# KiCad board Support All PCBS.kicad_pcb (continued)
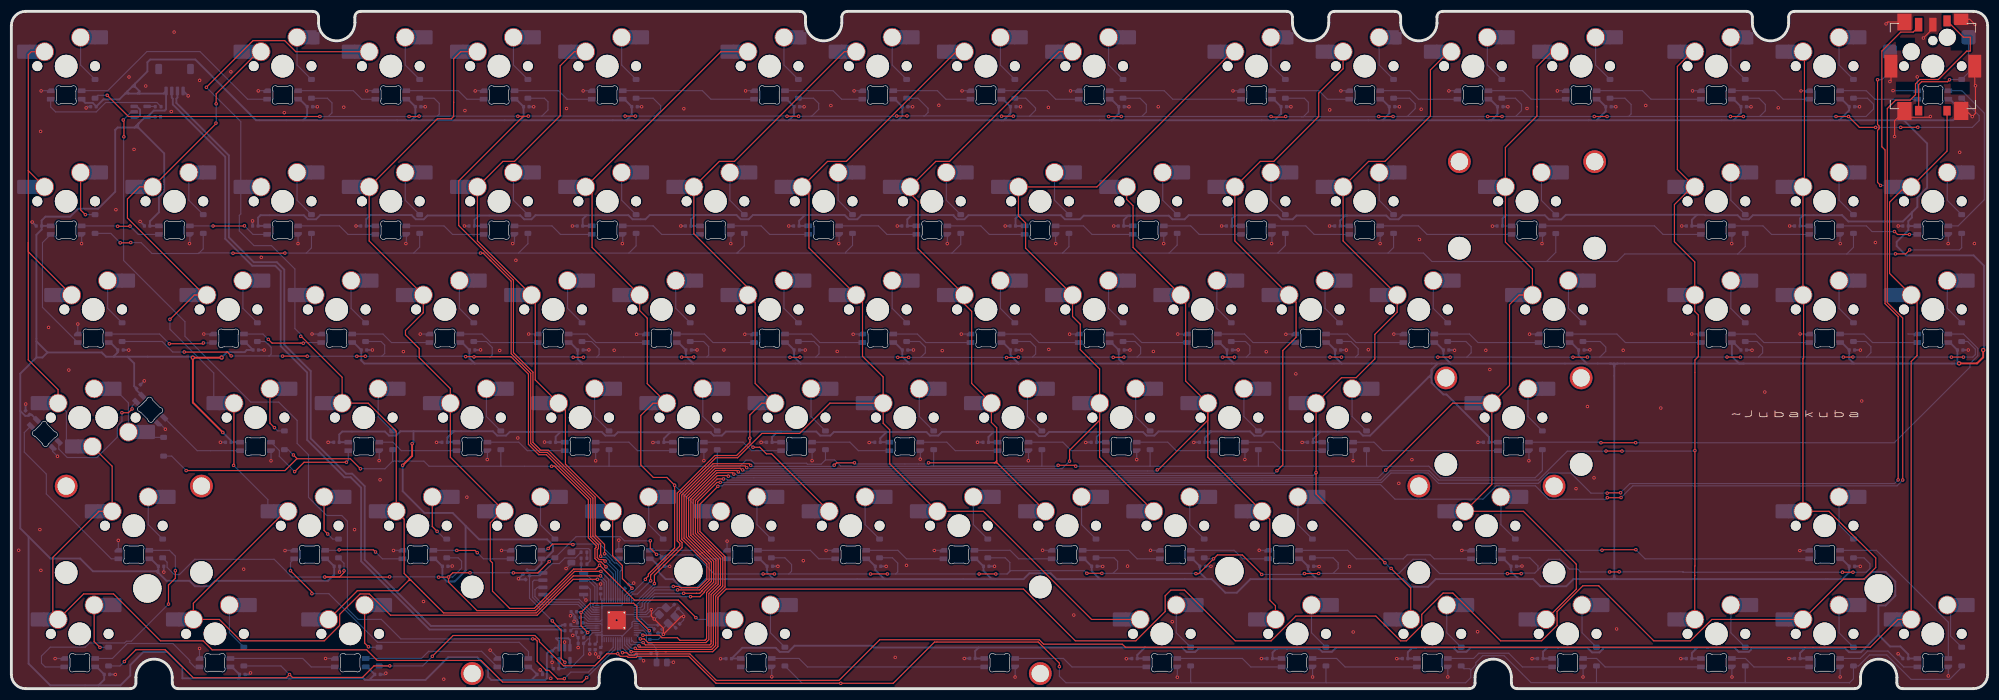
[diagram p0: board, top side]
## Routing (per net, layer and track width the routed paths; a pad name or vN(x,y) marks a point on that pad's centre or on a via; arc(x,y) is an arc through that point) (continued)
Net-(LED37-DOUT): length 14.2
  Bottom w0.2: LED37.2 65.41,62.47 66.91,60.97 LED38.3
Net-(LED38-DOUT): length 14.2
  Bottom w0.2: LED39.3 84.36,60.97 82.86,62.47 LED38.2
Net-(LED39-DOUT): length 14.2
  Bottom w0.2: LED40.3 102.89,60.97 101.39,62.47 LED39.2
Net-(LED40-DOUT): length 14.2
  Bottom w0.2: LED40.2 122.01,62.47 123.51,60.97 LED41.3
Net-(LED41-DOUT): length 14.2
  Bottom w0.2: LED41.2 140.84,62.47 142.34,60.97 LED42.3
Net-(LED42-DOUT): length 14.2
  Bottom w0.2: LED43.3 160.99,60.97 159.49,62.47 LED42.2
Net-(LED43-DOUT): length 14.2
  Bottom w0.2: LED43.2 179.41,62.47 180.91,60.97 LED44.3
Net-(LED44-DOUT): length 14.2
  Bottom w0.2: LED44.2 197.49,62.47 198.99,60.97 LED45.3
Net-(LED45-DOUT): length 14.2
  Bottom w0.2: LED45.2 217.09,62.47 218.59,60.97 LED46.3
Net-(LED46-DOUT): length 14.2
  Bottom w0.2: LED47.3 236.71,60.97 235.21,62.47 LED46.2
Net-(LED47-DOUT): length 19
  Bottom w0.2: LED47.2 256.69,62.47 258.19,60.97 268.86,60.97
Net-(LED48-DOUT): length 23.7
  Bottom w0.2: LED49.3 284.14,60.97 282.64,62.47 LED48.2
Net-(LED49-DOUT): length 14.2
  Bottom w0.2: LED50.3 308.54,60.97 307.04,62.47 LED49.2
Net-(LED50-DOUT): length 14.2
  Bottom w0.2: LED51.3 327.64,60.97 326.14,62.47 LED50.2
Net-(LED51-DOUT): length 93.3
  Top w0.2: v1(285.95,43.32) v1(279.84,43.32)
  Bottom w0.2: LED51.2 343.65,62.47 346.18,59.94 346.18,58.65 344.8,57.28 344.8,56.65 331.48,43.32 v1(285.95,43.32) ; v1(279.84,43.32) 279.6,43.32 279.5,43.42 LED65.3
Net-(LED52-DIN): length 15.8
  Bottom w0.2: LED54.2 32.71,41.92 LED52.3
Net-(LED52-DOUT): length 21.9
  Top w0.2: v1(21.26,49.27) 20.6,48.61 v1(19.47,48.61)
  Bottom w0.2: v1(21.26,49.27) 21.26,49.81 LED52.2 ; LED53.3 8.34,42.22 9.84,40.72 15.06,40.72 18.65,44.31 18.65,46.29 19.47,47.11 v1(19.47,48.61)
Net-(LED53-DOUT): length 31.5
  Bottom w0.2: LED66.3 17.58,22.87 6.15,34.3 6.15,37.8 2.28,41.67 2.28,45.11 LED53.2
Net-(LED54-DIN): length 18.9
  Top w0.2: 58.99,39.91 v1(58.99,39.89) 51.53,39.89 v1(49.87,38.23)
  Bottom w0.2: LED54.3 47.17,41.97 47.17,40.93 v1(49.87,38.23) ; v1(58.99,39.89) 59.31,40.21 LED55.2
Net-(LED55-DIN): length 14.2
  Bottom w0.2: LED56.2 68.65,41.92 67.15,43.42 LED55.3
Net-(LED56-DIN): length 14.2
  Bottom w0.2: LED56.3 89.32,43.42 90.82,41.92 LED57.2
Net-(LED57-DIN): length 14.2
  Bottom w0.2: LED58.2 110.22,41.92 108.72,43.42 102.86,43.42
Net-(LED58-DIN): length 14.2
  Bottom w0.2: LED58.3 128.82,43.42 130.32,41.92 135.51,41.92
Net-(LED59-DIN): length 14.2
  Bottom w0.2: LED60.2 149.11,41.92 147.61,43.42 LED59.3
Net-(LED60-DIN): length 14.2
  Bottom w0.2: LED61.2 166.17,41.92 164.67,43.42 160.01,43.42
Net-(LED61-DIN): length 14.2
  Bottom w0.2: LED61.3 185.11,43.42 186.61,41.92 192.66,41.92
Net-(LED62-DIN): length 14.2
  Bottom w0.2: LED62.3 203.57,43.42 205.07,41.92 LED63.2
Net-(LED63-DIN): length 14.2
  Bottom w0.2: LED63.3 222.15,43.42 223.65,41.92 LED64.2
Net-(LED64-DIN): length 26.1
  Bottom w0.2: 236.21,43.42 239.88,43.42 241.38,41.92 LED65.2
Net-(LED66-DOUT): length 45.7
  Top w0.2: v1(27.66,14.89) 27.66,18.24 28.87,19.45 v1(28.87,20.77)
  Bottom w0.2: v1(27.66,14.89) 21.12,8.35 20.24,8.35 19.94,8.05 13.75,8.05 13,7.3 6.85,7.3 5.3,5.75 5.3,4.48 5.96,3.82 LED79.3 ; v1(28.87,20.77) 28.87,23.34 27.84,24.37 LED66.2
Net-(LED67-DIN): length 51.6
  Top w0.2: v1(52.91,16.73) 52.91,17 v1(49.14,20.77)
  Bottom w0.2: v1(52.91,16.73) 55.89,16.73 64.46,8.16 89.41,8.16 91.04,6.53 91.04,5.37 LED82.2 ; LED67.3 49.14,22.22 v1(49.14,20.77)
Net-(LED67-DOUT): length 14.3
  Top w0.2: v1(57.7,24.45) 63.74,24.45 v1(64.11,24.08)
  Bottom w0.2: LED68.3 65.32,22.87 v1(64.11,24.08) ; LED67.2 57.62,24.37 v1(57.7,24.45)
Net-(LED68-DOUT): length 14.2
  Top w0.2: v1(78.42,24.35) 81.62,24.35 v1(82.02,23.95)
  Bottom w0.2: LED68.2 78.4,24.37 v1(78.42,24.35) ; LED69.3 83.1,22.87 v1(82.02,23.95)
Net-(LED69-DOUT): length 15.2
  Top w0.2: v1(94.5,24.69) 95.29,25.48 98.76,25.48 v1(98.87,25.37)
  Bottom w0.2: v1(94.5,24.69) 94.18,24.37 LED69.2 ; LED70.3 106.16,22.87 103.55,25.48 98.97,25.48 v1(98.87,25.37)
Net-(LED70-DOUT): length 14.2
  Bottom w0.2: LED71.3 122.03,22.87 120.53,24.37 LED70.2
Net-(LED71-DOUT): length 14.2
  Bottom w0.2: LED71.2 140.65,24.37 142.15,22.87 LED72.3
Net-(LED72-DOUT): length 14.2
  Bottom w0.2: LED72.2 156.06,24.37 157.56,22.87 LED73.3
Net-(LED73-DOUT): length 14.2
  Bottom w0.2: LED74.3 177.33,22.87 175.83,24.37 LED73.2
Net-(LED74-DOUT): length 14.2
  Bottom w0.2: LED75.3 198.18,22.87 196.68,24.37 LED74.2
Net-(LED75-DOUT): length 14.2
  Bottom w0.2: LED76.3 216.78,22.87 215.28,24.37 LED75.2
Net-(LED76-DOUT): length 31.5
  Bottom w0.2: LED77.3 250.48,22.87 249.78,23.57 245.72,23.57 245.03,22.88 245.03,22.87 236.76,22.87 235.26,24.37 LED76.2
Net-(LED77-DOUT): length 54.8
  Top w0.2: v1(280.02,24.39) 280.11,24.48 v1(285.99,24.48)
  Bottom w0.2: v1(285.99,24.48) 287.6,22.87 LED78.3 ; LED77.2 280,24.37 v1(280.02,24.39)
Net-(LED78-DOUT): length 30.7
  Bottom w0.2: LED78.2 328.33,24.37 340.99,11.71 LED89.3
Net-(LED79-DOUT): length 21.3
  Bottom w0.2: LED79.2 17.79,5.32 20.11,7.64 20.11,7.65 20.41,7.95 28.43,7.95 31.4,4.98 31.4,4.68 32.27,3.82 LED80.3
Net-(LED80-DOUT): length 19
  Bottom w0.2: LED80.2 51.3,5.32 52.8,3.82 LED81.3
Net-(LED81-DOUT): length 24.8
  Bottom w0.2: LED81.2 72.2,5.32 73.46,6.58 82.78,6.58 LED82.3
Net-(LED83-DIN): length 19
  Bottom w0.2: LED84.2 218.21,3.82 216.71,5.32 LED83.3
Net-(LED83-DOUT): length 23.7
  Bottom w0.2: LED83.2 186.72,3.82 185.22,5.32 LED90.3
Net-(LED84-DIN): length 19
  Bottom w0.2: LED84.3 233.3,5.32 234.8,3.82 LED85.2
Net-(LED85-DIN): length 19.7
  Bottom w0.2: LED86.2 266.02,3.82 263.6,6.24 258.34,6.24 257.42,5.32 LED85.3
Net-(LED86-DIN): length 21.4
  Bottom w0.2: LED87.2 280.58,3.82 279.08,5.32 LED86.3
Net-(LED87-DIN): length 14.2
  Bottom w0.2: LED88.2 306.77,3.82 305.27,5.32 LED87.3
Net-(LED88-DIN): length 15.3
  Bottom w0.2: LED89.2 333.15,3.82 330.35,6.62 326.77,6.62 325.47,5.32 LED88.3
Net-(LED90-DOUT): length 38
  Bottom w0.2: LED92.3 138.65,5.32 140.15,3.82 LED90.2
Net-(R1-Pad1): length 1.5
  Bottom w0.2: U1.4 25.28,102.57 R1.1
Net-(R3-Pad2): length 1.1
  Bottom w0.2: R4.1 101.32,24.03 R3.2
Net-(R5-Pad1): length 6.4
  Bottom w0.2: TP2.2 99.22,24.66 101.63,24.66 101.89,24.4 101.89,22.5 R5.1
Net-(U3-USB_DM): length 4.8
  Bottom w0.2: R7.2 98.81,10.56 101.23,10.56 101.33,10.66 U3.46
Net-(U3-USB_DP): length 4.8
  Bottom w0.2: R6.1 98.75,10.96 101.04,10.96 101.14,11.06 U3.47

## Copper pours and planes (outline as drawn; the poured copper is in the pictures)
GND on Top, Bottom: 369.88,128.94 369.88,-75.85 -82.56,-75.85 -82.56,128.94

## Text on the board
B.Silkscreen: ·BOOT | ·Reset
F.Silkscreen: ~Jubakuba
